# Altium PCB main.PcbDoc (part 1 of 5) (continued)
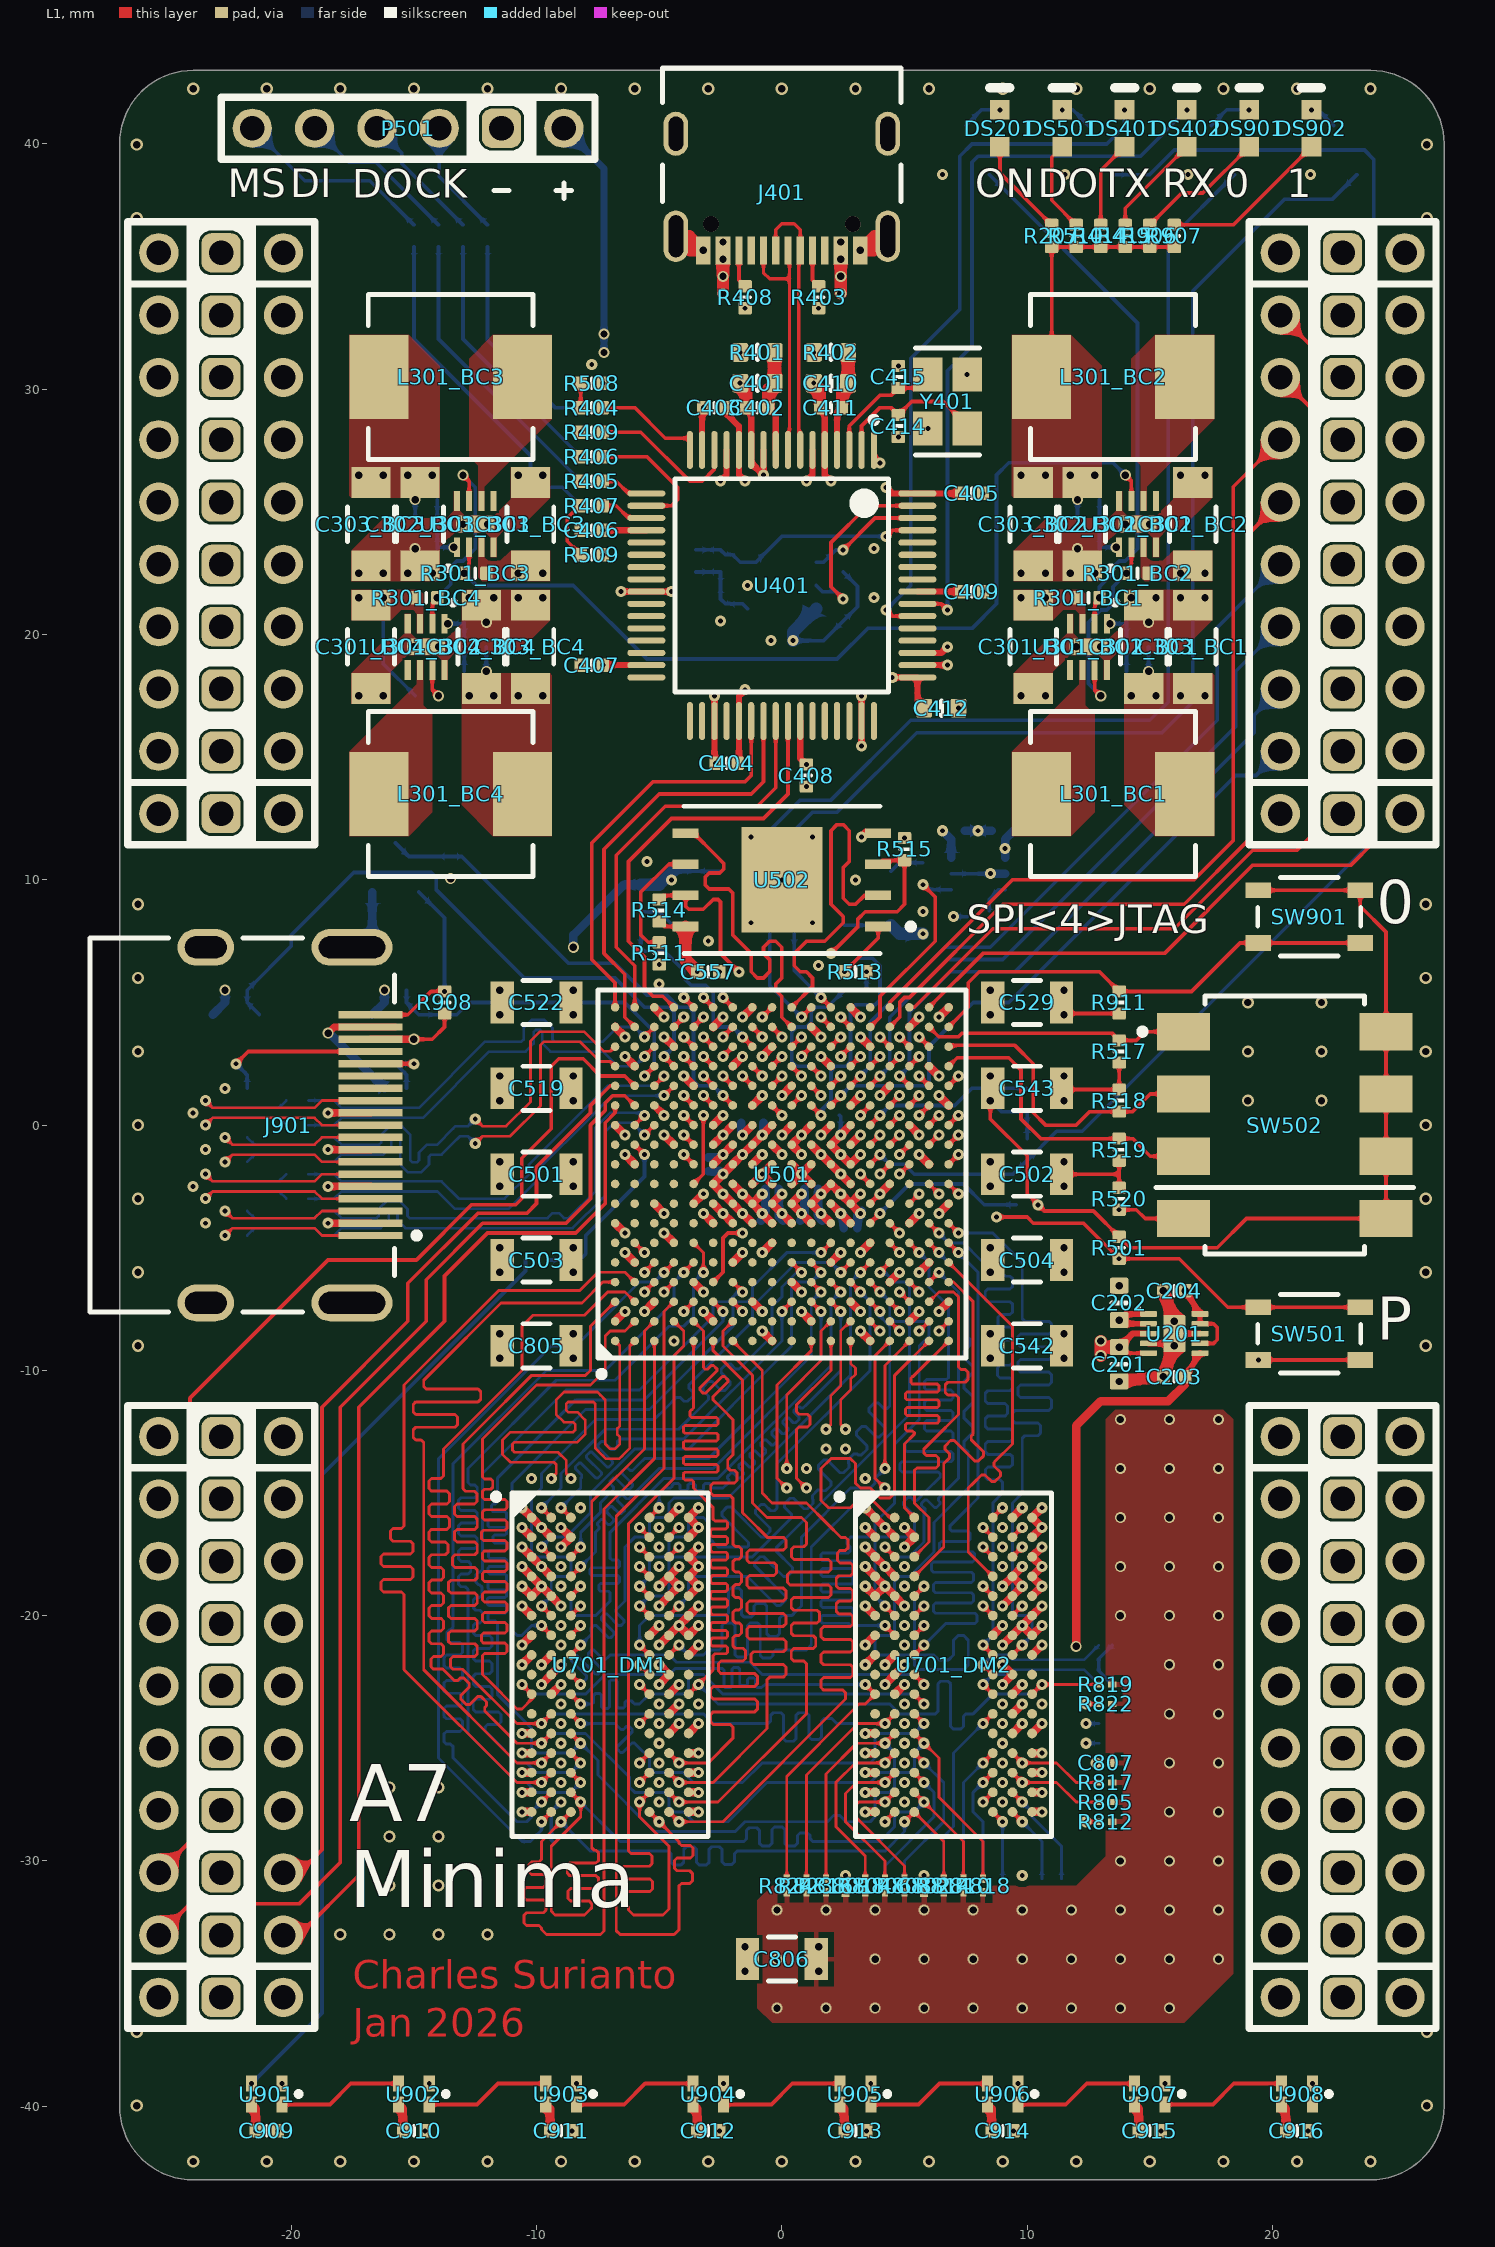
[diagram p0: L1 view]
## Classes and differential pairs
net class GPIO[0..63]: GPIO0 GPIO1 GPIO2 GPIO3 GPIO4 GPIO5 GPIO6 GPIO7 GPIO8 GPIO9 GPIO10 GPIO11 GPIO12 GPIO13 GPIO14 GPIO15 GPIO16 GPIO17 GPIO18 GPIO19 GPIO20 GPIO21 GPIO22 GPIO23 GPIO24 GPIO25 GPIO26 GPIO27 GPIO28 GPIO29 GPIO30 GPIO31 GPIO32 GPIO33 GPIO34 GPIO35 GPIO36 GPIO37 GPIO38 GPIO39 GPIO40 GPIO41 GPIO42 GPIO43 GPIO44 GPIO45 GPIO46 GPIO47 GPIO48 GPIO49 GPIO50 GPIO51 GPIO52 GPIO53 GPIO54 GPIO55 GPIO56 GPIO57 GPIO58 GPIO59 GPIO60 GPIO61 GPIO62 GPIO63
net class I2C: CON_SCL_12 CON_SDA_12 HDMI.SCL_1 HDMI.SDA_1
net class DDR3: DDRADR.A0 DDRADR.A1 DDRADR.A2 DDRADR.A3 DDRADR.A4 DDRADR.A5 DDRADR.A6 DDRADR.A7 DDRADR.A8 DDRADR.A9 DDRADR.A10 DDRADR.A11 DDRADR.A12 DDRADR.A13 DDRADR.A14 DDRADR.BA0 DDRADR.BA1 DDRADR.BA2 DDRB0.DM_1 DDRB0.DQ0 DDRB0.DQ1 DDRB0.DQ2 DDRB0.DQ3 DDRB0.DQ4 DDRB0.DQ5 DDRB0.DQ6 DDRB0.DQ7 DDRB0.DQS_1_N DDRB0.DQS_1_P DDRB1.DM_1 DDRB1.DQ0 DDRB1.DQ1 DDRB1.DQ2 DDRB1.DQ3 DDRB1.DQ4 DDRB1.DQ5 DDRB1.DQ6 DDRB1.DQ7 DDRB1.DQS_1_N DDRB1.DQS_1_P DDRB2.DM_1 DDRB2.DQ0 DDRB2.DQ1 DDRB2.DQ2 DDRB2.DQ3 DDRB2.DQ4 DDRB2.DQ5 DDRB2.DQ6 DDRB2.DQ7 DDRB2.DQS_1_N DDRB2.DQS_1_P DDRB3.DM_1 DDRB3.DQ0 DDRB3.DQ1 DDRB3.DQ2 DDRB3.DQ3 DDRB3.DQ4 DDRB3.DQ5 DDRB3.DQ6 DDRB3.DQ7 DDRB3.DQS_1_N DDRB3.DQS_1_P DDRCTL.CAS#_1 DDRCTL.CK_1_N DDRCTL.CK_1_P DDRCTL.CKE_1 DDRCTL.CS#_1 DDRCTL.ODT_1 DDRCTL.RAS#_1 DDRCTL.RESET#_1 DDRCTL.WE#_1
net class BYTE_GROUP3: DDRB3.DM_1 DDRB3.DQ0 DDRB3.DQ1 DDRB3.DQ2 DDRB3.DQ3 DDRB3.DQ4 DDRB3.DQ5 DDRB3.DQ6 DDRB3.DQ7 DDRB3.DQS_1_N DDRB3.DQS_1_P
net class BYTE_GROUP2: DDRB2.DM_1 DDRB2.DQ0 DDRB2.DQ1 DDRB2.DQ2 DDRB2.DQ3 DDRB2.DQ4 DDRB2.DQ5 DDRB2.DQ6 DDRB2.DQ7 DDRB2.DQS_1_N DDRB2.DQS_1_P
net class BYTE_GROUP1: DDRB1.DM_1 DDRB1.DQ0 DDRB1.DQ1 DDRB1.DQ2 DDRB1.DQ3 DDRB1.DQ4 DDRB1.DQ5 DDRB1.DQ6 DDRB1.DQ7 DDRB1.DQS_1_N DDRB1.DQS_1_P
net class BYTE_GROUP0: DDRB0.DM_1 DDRB0.DQ0 DDRB0.DQ1 DDRB0.DQ2 DDRB0.DQ3 DDRB0.DQ4 DDRB0.DQ5 DDRB0.DQ6 DDRB0.DQ7 DDRB0.DQS_1_N DDRB0.DQS_1_P
net class ADR_CTL_CMD: DDRADR.A0 DDRADR.A1 DDRADR.A2 DDRADR.A3 DDRADR.A4 DDRADR.A5 DDRADR.A6 DDRADR.A7 DDRADR.A8 DDRADR.A9 DDRADR.A10 DDRADR.A11 DDRADR.A12 DDRADR.A13 DDRADR.A14 DDRADR.BA0 DDRADR.BA1 DDRADR.BA2 DDRCTL.CAS#_1 DDRCTL.CK_1_N DDRCTL.CK_1_P DDRCTL.CKE_1 DDRCTL.CS#_1 DDRCTL.ODT_1 DDRCTL.RAS#_1 DDRCTL.RESET#_1 DDRCTL.WE#_1
net class HDMI: CON_CLK_12_N CON_CLK_12_P CON_D0_12_N CON_D0_12_P CON_D1_12_N CON_D1_12_P CON_D2_12_N CON_D2_12_P CON_HPD_12 CON_SCL_12 CON_SDA_12 HDMI.CLK_1_N HDMI.CLK_1_P HDMI.D0_1_N HDMI.D0_1_P HDMI.D1_1_N HDMI.D1_1_P HDMI.D2_1_N HDMI.D2_1_P HDMI.HPD HDMI.HPD#_1 HDMI.SCL HDMI.SCL_1 HDMI.SDA HDMI.SDA_1
component class CK: C601 C602 C603 C604 R601 R602 R603 U601 Y601 Y602
component class GP: J1001 J1002 J1003 J1004 J1005 J1006 J1007 J1008 J1009 J1010 J1011 J1012
component class CN: C901 C902 C903 C904 C905 C906 C907 C908 C909 C910 C911 C912 C913 C914 C915 C916 DS901 DS902 J901 Q901 Q902 Q903 Q904 Q905 R901 R902 R903 R904 R905 R906 R907 R908 R909 R910 R911 R912 R913 R914 SW901 U901 U902 U903 U904 U905 U906 U907 U908
net class B3D[0..7]: DDRB3.DQ0 DDRB3.DQ1 DDRB3.DQ2 DDRB3.DQ3 DDRB3.DQ4 DDRB3.DQ5 DDRB3.DQ6 DDRB3.DQ7
net class B2D[0..7]: DDRB2.DQ0 DDRB2.DQ1 DDRB2.DQ2 DDRB2.DQ3 DDRB2.DQ4 DDRB2.DQ5 DDRB2.DQ6 DDRB2.DQ7
net class B1D[0..7]: DDRB1.DQ0 DDRB1.DQ1 DDRB1.DQ2 DDRB1.DQ3 DDRB1.DQ4 DDRB1.DQ5 DDRB1.DQ6 DDRB1.DQ7
net class B0D[0..7]: DDRB0.DQ0 DDRB0.DQ1 DDRB0.DQ2 DDRB0.DQ3 DDRB0.DQ4 DDRB0.DQ5 DDRB0.DQ6 DDRB0.DQ7
net class QSPI: CCLK_6 QSPI.CS#_1 QSPI.DQ0_1 QSPI.DQ1_1 QSPI.DQ2_1 QSPI.DQ3_1 SCK_6
net class BA[0..2]: DDRADR.BA0 DDRADR.BA1 DDRADR.BA2
net class A[0..14]: DDRADR.A0 DDRADR.A1 DDRADR.A2 DDRADR.A3 DDRADR.A4 DDRADR.A5 DDRADR.A6 DDRADR.A7 DDRADR.A8 DDRADR.A9 DDRADR.A10 DDRADR.A11 DDRADR.A12 DDRADR.A13 DDRADR.A14
component class DT: C801 C802 C803 C804 C805 C806 C807 C808 C809 R801 R802 R803 R804 R805 R806 R807 R808 R809 R810 R811 R812 R813 R814 R815 R816 R817 R818 R819 R820 R821 R822 R823 R824 R825 R826 R827
component class A7P: C501 C502 C503 C504 C505 C506 C507 C508 C509 C510 C511 C512 C513 C514 C515 C516 C517 C518 C519 C520 C521 C522 C523 C524 C525 C526 C527 C528 C529 C530 C531 C532 C533 C534 C535 C536 C537 C538 C539 C540 C541 C542 C543 C544 C545 C546 C547 C548 C549 C550 C551 C552 C553 C554 C555 C556
channel class "7 ddr3 memory": DM1 DM2
channel class "3 buck": BC1 BC2 BC3 BC4
component class PW: C201 C202 C203 C204 DS201 Q201 R201 R202 R203 R204 R205 R206 R207 R208 R209 R210 U201
component class DM2: C701_DM2 C702_DM2 C703_DM2 C704_DM2 C705_DM2 C706_DM2 C707_DM2 C708_DM2 C709_DM2 C710_DM2 C711_DM2 C712_DM2 C713_DM2 C714_DM2 C715_DM2 C716_DM2 C717_DM2 C718_DM2 R701_DM2 U701_DM2
component class DM1: C701_DM1 C702_DM1 C703_DM1 C704_DM1 C705_DM1 C706_DM1 C707_DM1 C708_DM1 C709_DM1 C710_DM1 C711_DM1 C712_DM1 C713_DM1 C714_DM1 C715_DM1 C716_DM1 C717_DM1 C718_DM1 R701_DM1 U701_DM1
component class BC4: C301_BC4 C302_BC4 C303_BC4 C304_BC4 L301_BC4 R301_BC4 U301_BC4
component class BC3: C301_BC3 C302_BC3 C303_BC3 C304_BC3 L301_BC3 R301_BC3 U301_BC3
component class BC2: C301_BC2 C302_BC2 C303_BC2 C304_BC2 L301_BC2 R301_BC2 U301_BC2
component class BC1: C301_BC1 C302_BC1 C303_BC1 C304_BC1 L301_BC1 R301_BC1 U301_BC1
component class A7C: C557 DS501 P501 Q501 R501 R502 R503 R504 R505 R506 R507 R508 R509 R510 R511 R512 R513 R514 R515 R516 R517 R518 R519 R520 SW501 SW502 U502
component class A7B1: R521 U501
component class JU: C401 C402 C403 C404 C405 C406 C407 C408 C409 C410 C411 C412 C413 C414 C415 DS401 DS402 J401 R401 R402 R403 R404 R405 R406 R407 R408 R409 R410 R411 R412 R413 R414 R415 R416 R417 U401 U402 Y401
differential pair HDMI.D2_1: +HDMI.D2_1_P -HDMI.D2_1_N
differential pair HDMI.D1_1: +HDMI.D1_1_P -HDMI.D1_1_N
differential pair HDMI.D0_1: +HDMI.D0_1_P -HDMI.D0_1_N
differential pair HDMI.CLK_1: +HDMI.CLK_1_P -HDMI.CLK_1_N
differential pair CON_D2_12: +CON_D2_12_P -CON_D2_12_N
differential pair CON_D1_12: +CON_D1_12_P -CON_D1_12_N
differential pair CON_D0_12: +CON_D0_12_P -CON_D0_12_N
differential pair CON_CLK_12: +CON_CLK_12_P -CON_CLK_12_N
differential pair DDRCTL.CK_1: +DDRCTL.CK_1_P -DDRCTL.CK_1_N
differential pair DDRB3.DQS_1: +DDRB0.DQS_1_P -DDRB0.DQS_1_N
differential pair DDRB2.DQS_1: +DDRB1.DQS_1_P -DDRB1.DQS_1_N
differential pair DDRB1.DQS_1: +DDRB2.DQS_1_P -DDRB2.DQS_1_N
differential pair DDRB0.DQS_1: +DDRB3.DQS_1_P -DDRB3.DQS_1_N
differential pair USBD_4: +USBD_4_P -USBD_4_N

## Components (designator, comment, footprint, x,y, rotation, side; value= is the part's Value field where it differs from the comment)
C201 "Capacitors,0603,10u" CAPC0603(1608)100_L 13.75,-9.75 r270 top value=10u
C202 "Capacitors,0603,10u" CAPC0603(1608)100_L 13.75,-7.25 r90 top value=10u
C203 "Capacitors,0402,220n,16" CAPC0402(1005)60_L 16,-10.25 r180 top value=220n
C204 "Capacitors,0402,100n,16" CAPC0402(1005)60_L 16,-6.75 r180 top value=100n
C301_BC1 "TMK316BBJ226ML-T" FP-1206-L_3_2_0_3-W_1_6_0-MFG 10.25,19.5 r270 top locked (schematic designator C301)
C301_BC2 "TMK316BBJ226ML-T" FP-1206-L_3_2_0_3-W_1_6_0-MFG 16.75,24.5 r90 top locked (schematic designator C301)
C301_BC3 "TMK316BBJ226ML-T" FP-1206-L_3_2_0_3-W_1_6_0-MFG -10.25,24.5 r90 top locked (schematic designator C301)
C301_BC4 "TMK316BBJ226ML-T" FP-1206-L_3_2_0_3-W_1_6_0-MFG -16.75,19.5 r270 top locked (schematic designator C301)
C302_BC1 "TMK316BBJ226ML-T" FP-1206-L_3_2_0_3-W_1_6_0-MFG 14.75,19.5 r90 top locked (schematic designator C302)
C302_BC2 "TMK316BBJ226ML-T" FP-1206-L_3_2_0_3-W_1_6_0-MFG 12.25,24.5 r270 top locked (schematic designator C302)
C302_BC3 "TMK316BBJ226ML-T" FP-1206-L_3_2_0_3-W_1_6_0-MFG -14.75,24.5 r270 top locked (schematic designator C302)
C302_BC4 "TMK316BBJ226ML-T" FP-1206-L_3_2_0_3-W_1_6_0-MFG -12.25,19.5 r90 top locked (schematic designator C302)
C303_BC1 "TMK316BBJ226ML-T" FP-1206-L_3_2_0_3-W_1_6_0-MFG 16.75,19.5 r90 top locked (schematic designator C303)
C303_BC2 "TMK316BBJ226ML-T" FP-1206-L_3_2_0_3-W_1_6_0-MFG 10.25,24.5 r270 top locked (schematic designator C303)
C303_BC3 "TMK316BBJ226ML-T" FP-1206-L_3_2_0_3-W_1_6_0-MFG -16.75,24.5 r270 top locked (schematic designator C303)
C303_BC4 "TMK316BBJ226ML-T" FP-1206-L_3_2_0_3-W_1_6_0-MFG -10.25,19.5 r90 top locked (schematic designator C303)
C304_BC1 "Capacitors,0402,22p" CAPC0402(1005)60_L 14.5,18.5 r180 bottom locked value=22p (schematic designator C304)
C304_BC2 "Capacitors,0402,22p" CAPC0402(1005)60_L 12.5,25.5 r0 bottom locked value=22p (schematic designator C304)
C304_BC3 "Capacitors,0402,22p" CAPC0402(1005)60_L -14.5,25.5 r0 bottom locked value=22p (schematic designator C304)
C304_BC4 "Capacitors,0402,22p" CAPC0402(1005)60_L -12.5,18.5 r180 bottom locked value=22p (schematic designator C304)
C401 "Capacitors,0603,10u" CAPC0603(1608)100_L -1,30.25 r180 top locked value=10u
C402 "Capacitors,0402,100n,16" CAPC0402(1005)60_L -1,29.25 r180 top locked value=100n
C403 "Capacitors,0402,100n,16" CAPC0402(1005)60_L -2.75,29.25 r180 top locked value=100n
C404 "Capacitors,0402,100n,16" CAPC0402(1005)60_L -2.25,14.75 r180 top locked value=100n
C405 "Capacitors,0402,100n,16" CAPC0402(1005)60_L 7.75,25.75 r0 top locked value=100n
C406 "Capacitors,0402,100n,16" CAPC0402(1005)60_L -7.75,24.25 r180 top locked value=100n
C407 "Capacitors,0402,100n,16" CAPC0402(1005)60_L -7.75,18.75 r180 top locked value=100n
C408 "Capacitors,0402,100n,16" CAPC0402(1005)60_L 1,14.25 r270 top locked value=100n
C409 "Capacitors,0402,100n,16" CAPC0402(1005)60_L 7.75,21.75 r0 top locked value=100n
C410 "Capacitors,0603,10u" CAPC0603(1608)100_L 2,30.25 r180 top locked value=10u
C411 "Capacitors,0402,100n,16" CAPC0402(1005)60_L 2,29.25 r180 top locked value=100n
C412 "Capacitors,0603,10u" CAPC0603(1608)100_L 6.5,17 r0 top value=10u
C413 "Capacitors,0402,100n,16" CAPC0402(1005)60_L 0,19.75 r180 bottom locked value=100n
C414 "Capacitors,0402,27p" CAPC0402(1005)60_L 4.75,28.5 r270 top locked value=27p
C415 "Capacitors,0402,27p" CAPC0402(1005)60_L 4.75,30.5 r90 top locked value=27p
C501 "C1206C107M9PACTU" FP-C1206C-EH-MFG -10,-2 r180 top
C502 "C1206C107M9PACTU" FP-C1206C-EH-MFG 10,-2 r0 top
C503 "C1206C107M9PACTU" FP-C1206C-EH-MFG -10,-5.5 r180 top
C504 "C1206C107M9PACTU" FP-C1206C-EH-MFG 10,-5.5 r0 top
C505 "Capacitors,0402,4.7u,10V" CAPC0402(1005)60_L 0.4,-1.2 r0 bottom value=4.7u
C506 "Capacitors,0402,4.7u,10V" CAPC0402(1005)60_L 2,-1.2 r0 bottom value=4.7u
C507 "Capacitors,0402,4.7u,10V" CAPC0402(1005)60_L -2,-3.6 r0 bottom value=4.7u
C508 "Capacitors,0402,4.7u,10V" CAPC0402(1005)60_L -0.4,-3.9 r0 bottom value=4.7u
C509 "Capacitors,0402,4.7u,10V" CAPC0402(1005)60_L 1.2,-3.9 r0 bottom value=4.7u
C510 "Capacitors,0402,4.7u,10V" CAPC0402(1005)60_L 2.8,-3.5 r0 bottom value=4.7u
C511 "02016D474KAT2A" CAPC0603X33X15LL03T05 -2,-2.8 r180 bottom value=470n
C512 "02016D474KAT2A" CAPC0603X33X15LL03T05 -0.4,-2.6 r0 bottom value=470n
C513 "02016D474KAT2A" CAPC0603X33X15LL03T05 1.2,-2.6 r0 bottom value=470n
C514 "02016D474KAT2A" CAPC0603X33X15LL03T05 2.4,-2.4 r270 bottom value=470n
C515 "02016D474KAT2A" CAPC0603X33X15LL03T05 3.2,-0.8 r270 bottom value=470n
C516 "02016D474KAT2A" CAPC0603X33X15LL03T05 -0.4,-3.2 r0 bottom value=470n
C517 "02016D474KAT2A" CAPC0603X33X15LL03T05 1.2,-3.2 r0 bottom value=470n
C518 "02016D474KAT2A" CAPC0603X33X15LL03T05 2.8,-4.2 r0 bottom value=470n
C519 "C1206C107M9PACTU" FP-C1206C-EH-MFG -10,1.5 r180 top
C520 "02016D474KAT2A" CAPC0603X33X15LL03T05 -2.4,-1.6 r270 bottom value=470n
C521 "02016D474KAT2A" CAPC0603X33X15LL03T05 -3,-1.6 r270 bottom value=470n
C522 "C1206C107M9PACTU" FP-C1206C-EH-MFG -10,5 r180 top
C523 "Capacitors,0402,4.7u,10V" CAPC0402(1005)60_L -3.2,-3.2 r270 bottom value=4.7u
C524 "Capacitors,0402,4.7u,10V" CAPC0402(1005)60_L -1.2,0.1 r0 bottom value=4.7u
C525 "02016D474KAT2A" CAPC0603X33X15LL03T05 -2.4,0 r270 bottom value=470n
C526 "02016D474KAT2A" CAPC0603X33X15LL03T05 -1.2,-0.6 r0 bottom value=470n
C527 "02016D474KAT2A" CAPC0603X33X15LL03T05 0.4,-0.4 r0 bottom value=470n
C528 "02016D474KAT2A" CAPC0603X33X15LL03T05 2,-0.4 r0 bottom value=470n
C529 "C1206C107M9PACTU" FP-C1206C-EH-MFG 10,5 r0 top
C530 "Capacitors,0402,4.7u,10V" CAPC0402(1005)60_L 5.6,-0.8 r270 bottom value=4.7u
C531 "Capacitors,0402,4.7u,10V" CAPC0402(1005)60_L 1.6,3.2 r270 bottom value=4.7u
C532 "02016D474KAT2A" CAPC0603X33X15LL03T05 3.2,4 r90 bottom value=470n
C533 "02016D474KAT2A" CAPC0603X33X15LL03T05 6.4,1.6 r270 bottom value=470n
C534 "02016D474KAT2A" CAPC0603X33X15LL03T05 6,4.4 r180 bottom value=470n
C535 "02016D474KAT2A" CAPC0603X33X15LL03T05 3.6,1.2 r0 bottom value=470n
C536 "Capacitors,0402,4.7u,10V" CAPC0402(1005)60_L 6,-3.6 r180 bottom value=4.7u
C537 "Capacitors,0402,4.7u,10V" CAPC0402(1005)60_L 2.8,-5.2 r180 bottom value=4.7u
C538 "02016D474KAT2A" CAPC0603X33X15LL03T05 5.2,-6 r180 bottom value=470n
C539 "02016D474KAT2A" CAPC0603X33X15LL03T05 6,-7.6 r0 bottom value=470n
C540 "02016D474KAT2A" CAPC0603X33X15LL03T05 3.2,-8 r270 bottom value=470n
C541 "02016D474KAT2A" CAPC0603X33X15LL03T05 0.8,-7.2 r270 bottom value=470n
C542 "C1206C107M9PACTU" FP-C1206C-EH-MFG 10,-9 r0 top
C543 "C1206C107M9PACTU" FP-C1206C-EH-MFG 10,1.5 r0 top
C544 "Capacitors,0402,4.7u,10V" CAPC0402(1005)60_L -0.4,1.2 r180 bottom value=4.7u
C545 "Capacitors,0402,4.7u,10V" CAPC0402(1005)60_L -1.2,2.8 r0 bottom value=4.7u
C546 "02016D474KAT2A" CAPC0603X33X15LL03T05 -4.8,0 r270 bottom value=470n
C547 "02016D474KAT2A" CAPC0603X33X15LL03T05 -6.4,3.2 r270 bottom value=470n
C548 "02016D474KAT2A" CAPC0603X33X15LL03T05 -4.8,4 r90 bottom value=470n
C549 "02016D474KAT2A" CAPC0603X33X15LL03T05 -2,4.4 r180 bottom value=470n
C550 "Capacitors,0402,4.7u,10V" CAPC0402(1005)60_L -1.2,-5.2 r0 bottom value=4.7u
C551 "Capacitors,0402,4.7u,10V" CAPC0402(1005)60_L -4.8,-4 r90 bottom value=4.7u
C552 "02016D474KAT2A" CAPC0603X33X15LL03T05 -6.4,-4.8 r270 bottom value=470n
C553 "02016D474KAT2A" CAPC0603X33X15LL03T05 -6,-7.6 r180 bottom value=470n
C554 "02016D474KAT2A" CAPC0603X33X15LL03T05 -3.2,-7.2 r90 bottom value=470n
C555 "02016D474KAT2A" CAPC0603X33X15LL03T05 -0.8,-8 r90 bottom value=470n
C556 "Capacitors,0402,4.7u,10V" CAPC0402(1005)60_L -6.4,-0.8 r90 bottom value=4.7u
C557 "Capacitors,0402,100n,16" CAPC0402(1005)60_L -3,6.25 r0 top value=100n
C601 "Capacitors,0402,100n,16" CAPC0402(1005)60_L 5.75,8.25 r90 bottom value=100n
C602 "Capacitors,0402,100n,16" CAPC0402(1005)60_L 9,12 r180 bottom value=100n
C603 "Capacitors,0402,100n,16" CAPC0402(1005)60_L 7,12 r0 bottom value=100n
C604 "Capacitors,0402,100n,16" CAPC0402(1005)60_L -5.75,10.25 r90 bottom value=100n
C701_DM1 "02016D474KAT2A" CAPC0603X33X15LL03T05 -10.6,-16 r270 bottom value=470n (schematic designator C701)
C701_DM2 "02016D474KAT2A" CAPC0603X33X15LL03T05 3.4,-16 r270 bottom value=470n (schematic designator C701)
C702_DM1 "02016D474KAT2A" CAPC0603X33X15LL03T05 -9.4,-16.4 r0 bottom value=470n (schematic designator C702)
C702_DM2 "02016D474KAT2A" CAPC0603X33X15LL03T05 4.6,-16.4 r0 bottom value=470n (schematic designator C702)
C703_DM1 "02016D474KAT2A" CAPC0603X33X15LL03T05 -10.6,-17.6 r270 bottom value=470n (schematic designator C703)
C703_DM2 "02016D474KAT2A" CAPC0603X33X15LL03T05 3.4,-17.6 r270 bottom value=470n (schematic designator C703)
C704_DM1 "02016D474KAT2A" CAPC0603X33X15LL03T05 -9.8,-18.4 r270 bottom value=470n (schematic designator C704)
C704_DM2 "02016D474KAT2A" CAPC0603X33X15LL03T05 4.2,-18.4 r270 bottom value=470n (schematic designator C704)
C705_DM1 "02016D474KAT2A" CAPC0603X33X15LL03T05 -10.6,-19.2 r90 bottom value=470n (schematic designator C705)
C705_DM2 "02016D474KAT2A" CAPC0603X33X15LL03T05 3.4,-19.2 r90 bottom value=470n (schematic designator C705)
C706_DM1 "02016D474KAT2A" CAPC0603X33X15LL03T05 -9.4,-22 r0 bottom value=470n (schematic designator C706)
C706_DM2 "02016D474KAT2A" CAPC0603X33X15LL03T05 4.6,-22 r0 bottom value=470n (schematic designator C706)
C707_DM1 "02016D474KAT2A" CAPC0603X33X15LL03T05 -9.4,-22.8 r180 bottom value=470n (schematic designator C707)
C707_DM2 "02016D474KAT2A" CAPC0603X33X15LL03T05 4.6,-22.8 r180 bottom value=470n (schematic designator C707)
C708_DM1 "02016D474KAT2A" CAPC0603X33X15LL03T05 -10.6,-25.2 r90 bottom value=470n (schematic designator C708)
C708_DM2 "02016D474KAT2A" CAPC0603X33X15LL03T05 3.4,-25.2 r90 bottom value=470n (schematic designator C708)
C709_DM1 "02016D474KAT2A" CAPC0603X33X15LL03T05 -3.8,-15.6 r0 bottom value=470n (schematic designator C709)
C709_DM2 "02016D474KAT2A" CAPC0603X33X15LL03T05 10.2,-15.6 r0 bottom value=470n (schematic designator C709)
C710_DM1 "02016D474KAT2A" CAPC0603X33X15LL03T05 -10.6,-27.6 r270 bottom value=470n (schematic designator C710)
C710_DM2 "02016D474KAT2A" CAPC0603X33X15LL03T05 3.4,-27.6 r270 bottom value=470n (schematic designator C710)
C711_DM1 "02016D474KAT2A" CAPC0603X33X15LL03T05 -3.4,-27.6 r270 bottom value=470n (schematic designator C711)
C711_DM2 "02016D474KAT2A" CAPC0603X33X15LL03T05 10.6,-27.6 r270 bottom value=470n (schematic designator C711)
C712_DM1 "02016D474KAT2A" CAPC0603X33X15LL03T05 -3.4,-26 r270 bottom value=470n (schematic designator C712)
C712_DM2 "02016D474KAT2A" CAPC0603X33X15LL03T05 10.6,-26 r270 bottom value=470n (schematic designator C712)
C713_DM1 "02016D474KAT2A" CAPC0603X33X15LL03T05 -4.6,-22.8 r180 bottom value=470n (schematic designator C713)
C713_DM2 "02016D474KAT2A" CAPC0603X33X15LL03T05 9.4,-22.8 r180 bottom value=470n (schematic designator C713)
C714_DM1 "02016D474KAT2A" CAPC0603X33X15LL03T05 -4.6,-20.4 r0 bottom value=470n (schematic designator C714)
C714_DM2 "02016D474KAT2A" CAPC0603X33X15LL03T05 9.4,-20.4 r0 bottom value=470n (schematic designator C714)
C715_DM1 "02016D474KAT2A" CAPC0603X33X15LL03T05 -3.4,-20.8 r90 bottom value=470n (schematic designator C715)
C715_DM2 "02016D474KAT2A" CAPC0603X33X15LL03T05 10.6,-20.8 r90 bottom value=470n (schematic designator C715)
C716_DM1 "02016D474KAT2A" CAPC0603X33X15LL03T05 -3.4,-19.2 r270 bottom value=470n (schematic designator C716)
C716_DM2 "02016D474KAT2A" CAPC0603X33X15LL03T05 10.6,-19.2 r270 bottom value=470n (schematic designator C716)
C717_DM1 "02016D474KAT2A" CAPC0603X33X15LL03T05 -3.4,-16.8 r90 bottom value=470n (schematic designator C717)
C717_DM2 "02016D474KAT2A" CAPC0603X33X15LL03T05 10.6,-16.8 r90 bottom value=470n (schematic designator C717)
C718_DM1 "02016D474KAT2A" CAPC0603X33X15LL03T05 -3.8,-18 r180 bottom value=470n (schematic designator C718)
C718_DM2 "02016D474KAT2A" CAPC0603X33X15LL03T05 10.2,-18 r180 bottom value=470n (schematic designator C718)
C801 "02016D474KAT2A" CAPC0603X33X15LL03T05 2.6,-31 r90 top value=470n
C802 "02016D474KAT2A" CAPC0603X33X15LL03T05 5.8,-31 r90 top value=470n
C803 "02016D474KAT2A" CAPC0603X33X15LL03T05 5.8,-31 r90 bottom value=470n
C804 "02016D474KAT2A" CAPC0603X33X15LL03T05 9.8,-31 r90 bottom value=470n
C805 "C1206C107M9PACTU" FP-C1206C-EH-MFG -10,-9 r180 top
C806 "C1206C107M9PACTU" FP-C1206C-EH-MFG 0,-34 r180 top
C807 "02016D474KAT2A" CAPC0603X33X15LL03T05 13.2,-26 r180 top value=470n
C808 "02016D474KAT2A" CAPC0603X33X15LL03T05 13.2,-26 r180 bottom value=470n
C809 "02016D474KAT2A" CAPC0603X33X15LL03T05 13.2,-22 r180 bottom value=470n